# Altium PCB S7CAS-PLEIADES-CARTE-MERE_P07 - BACKUP.PcbDoc (part 1 of 3)
Units mm, origin at the board's own origin, x right, y up, seen from the top; angles counter-clockwise.
Board outline 241.19 x 260.25 mm, 14 copper layers (Top, GND_1, SIG_1, GND_2, PWR_1, GND_3, PWR_2, PWR_3, GND_4, PWR_4, GND_5, SIG_2, GND_6, Bottom), stack 1.753 mm thick; 544 components, 385 nets, 2428 pads, 179 vias.
Unrouted connection lines stored in the file: 1578.
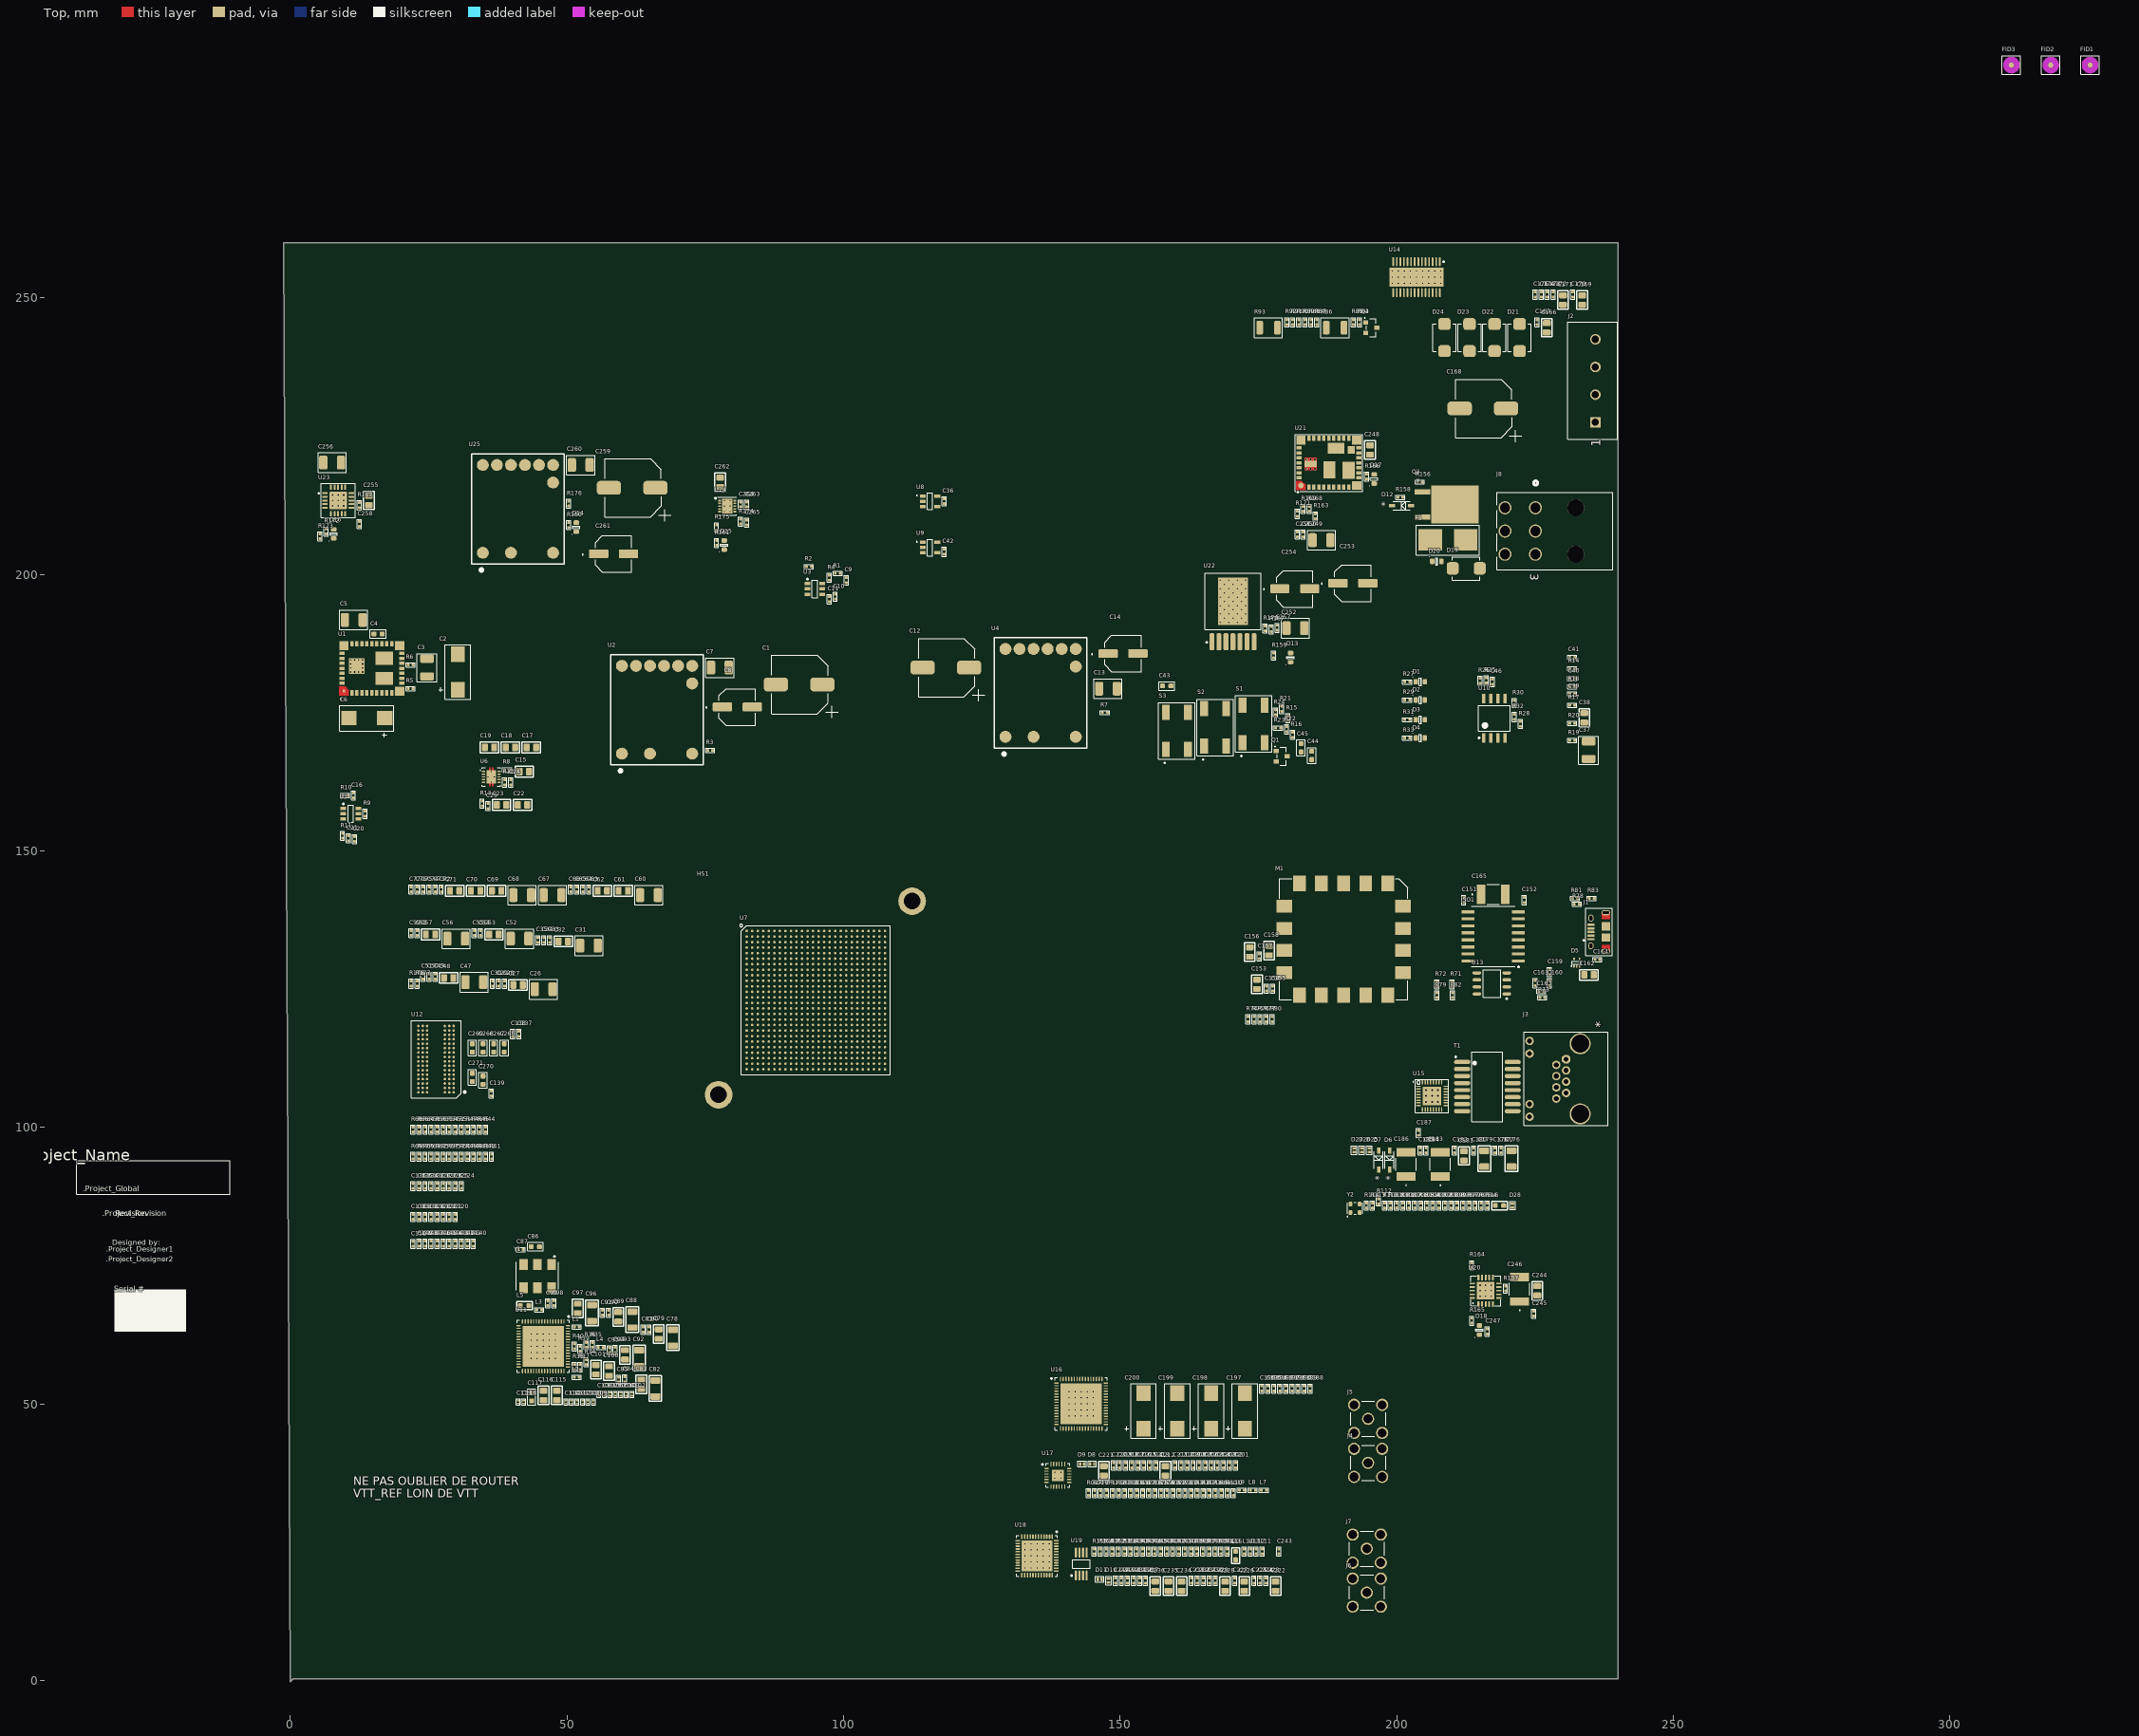
[diagram p0: Top view]
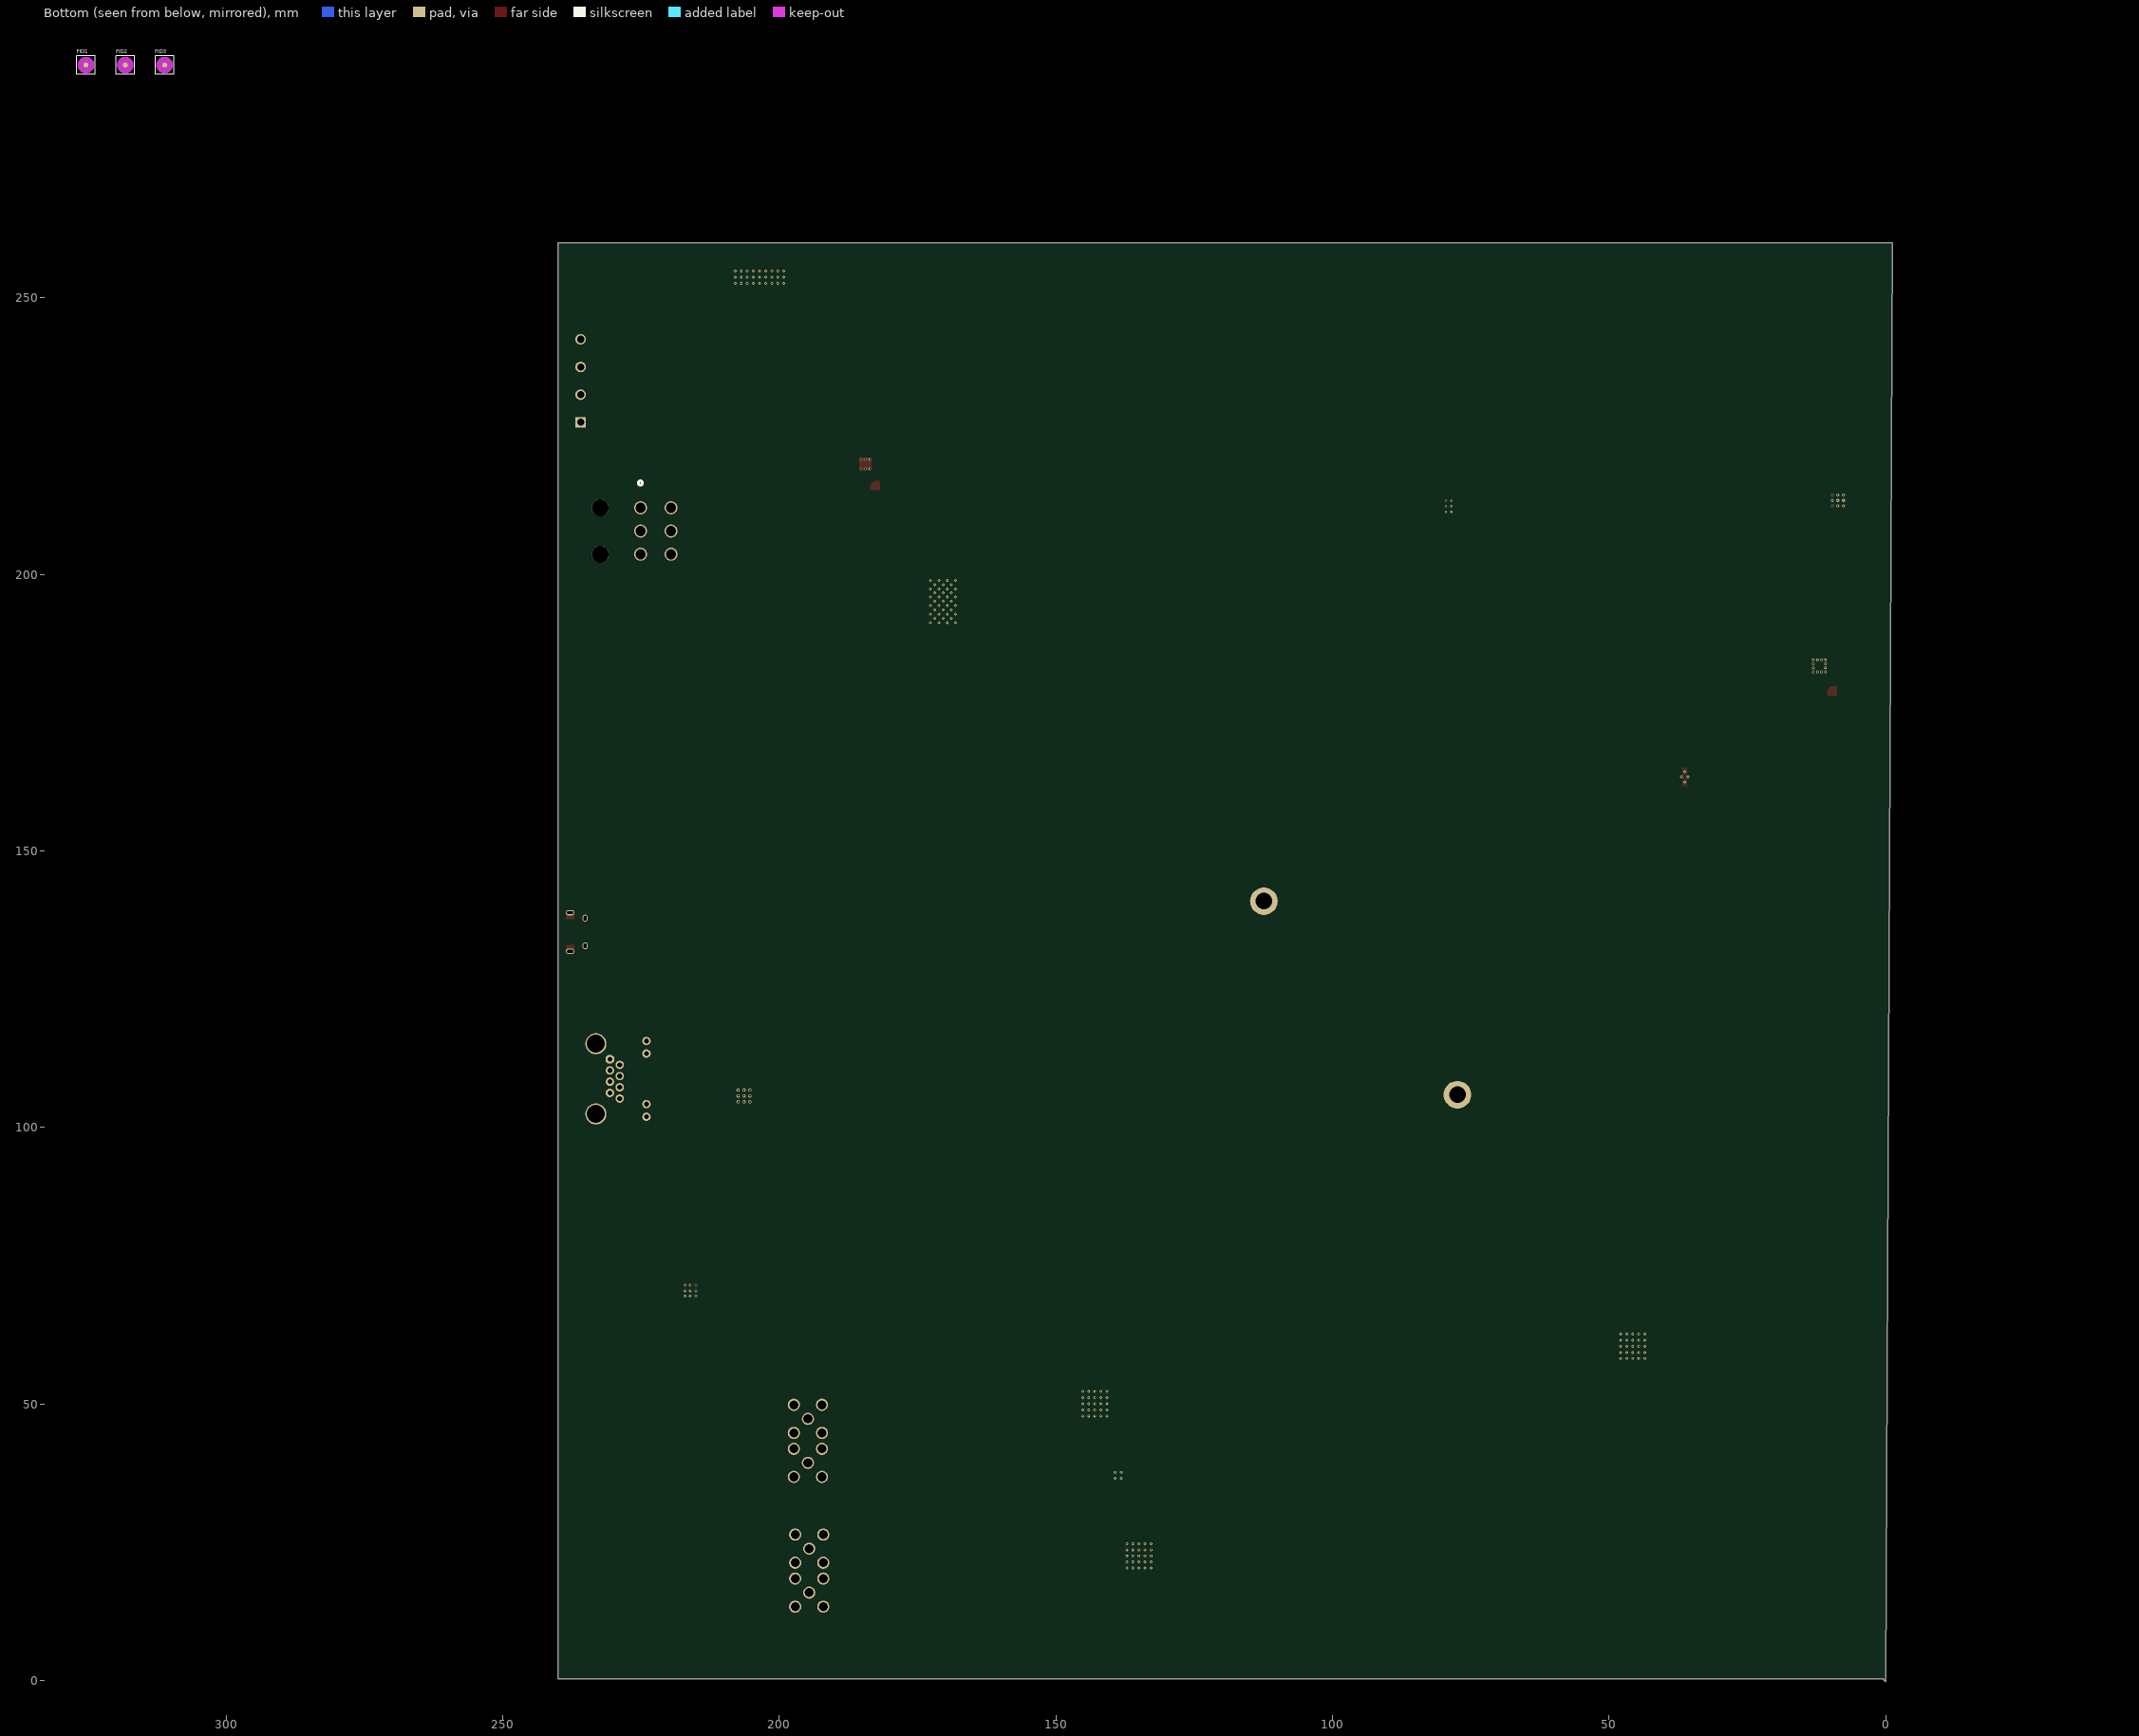
[diagram p1: Bottom view, seen from below]
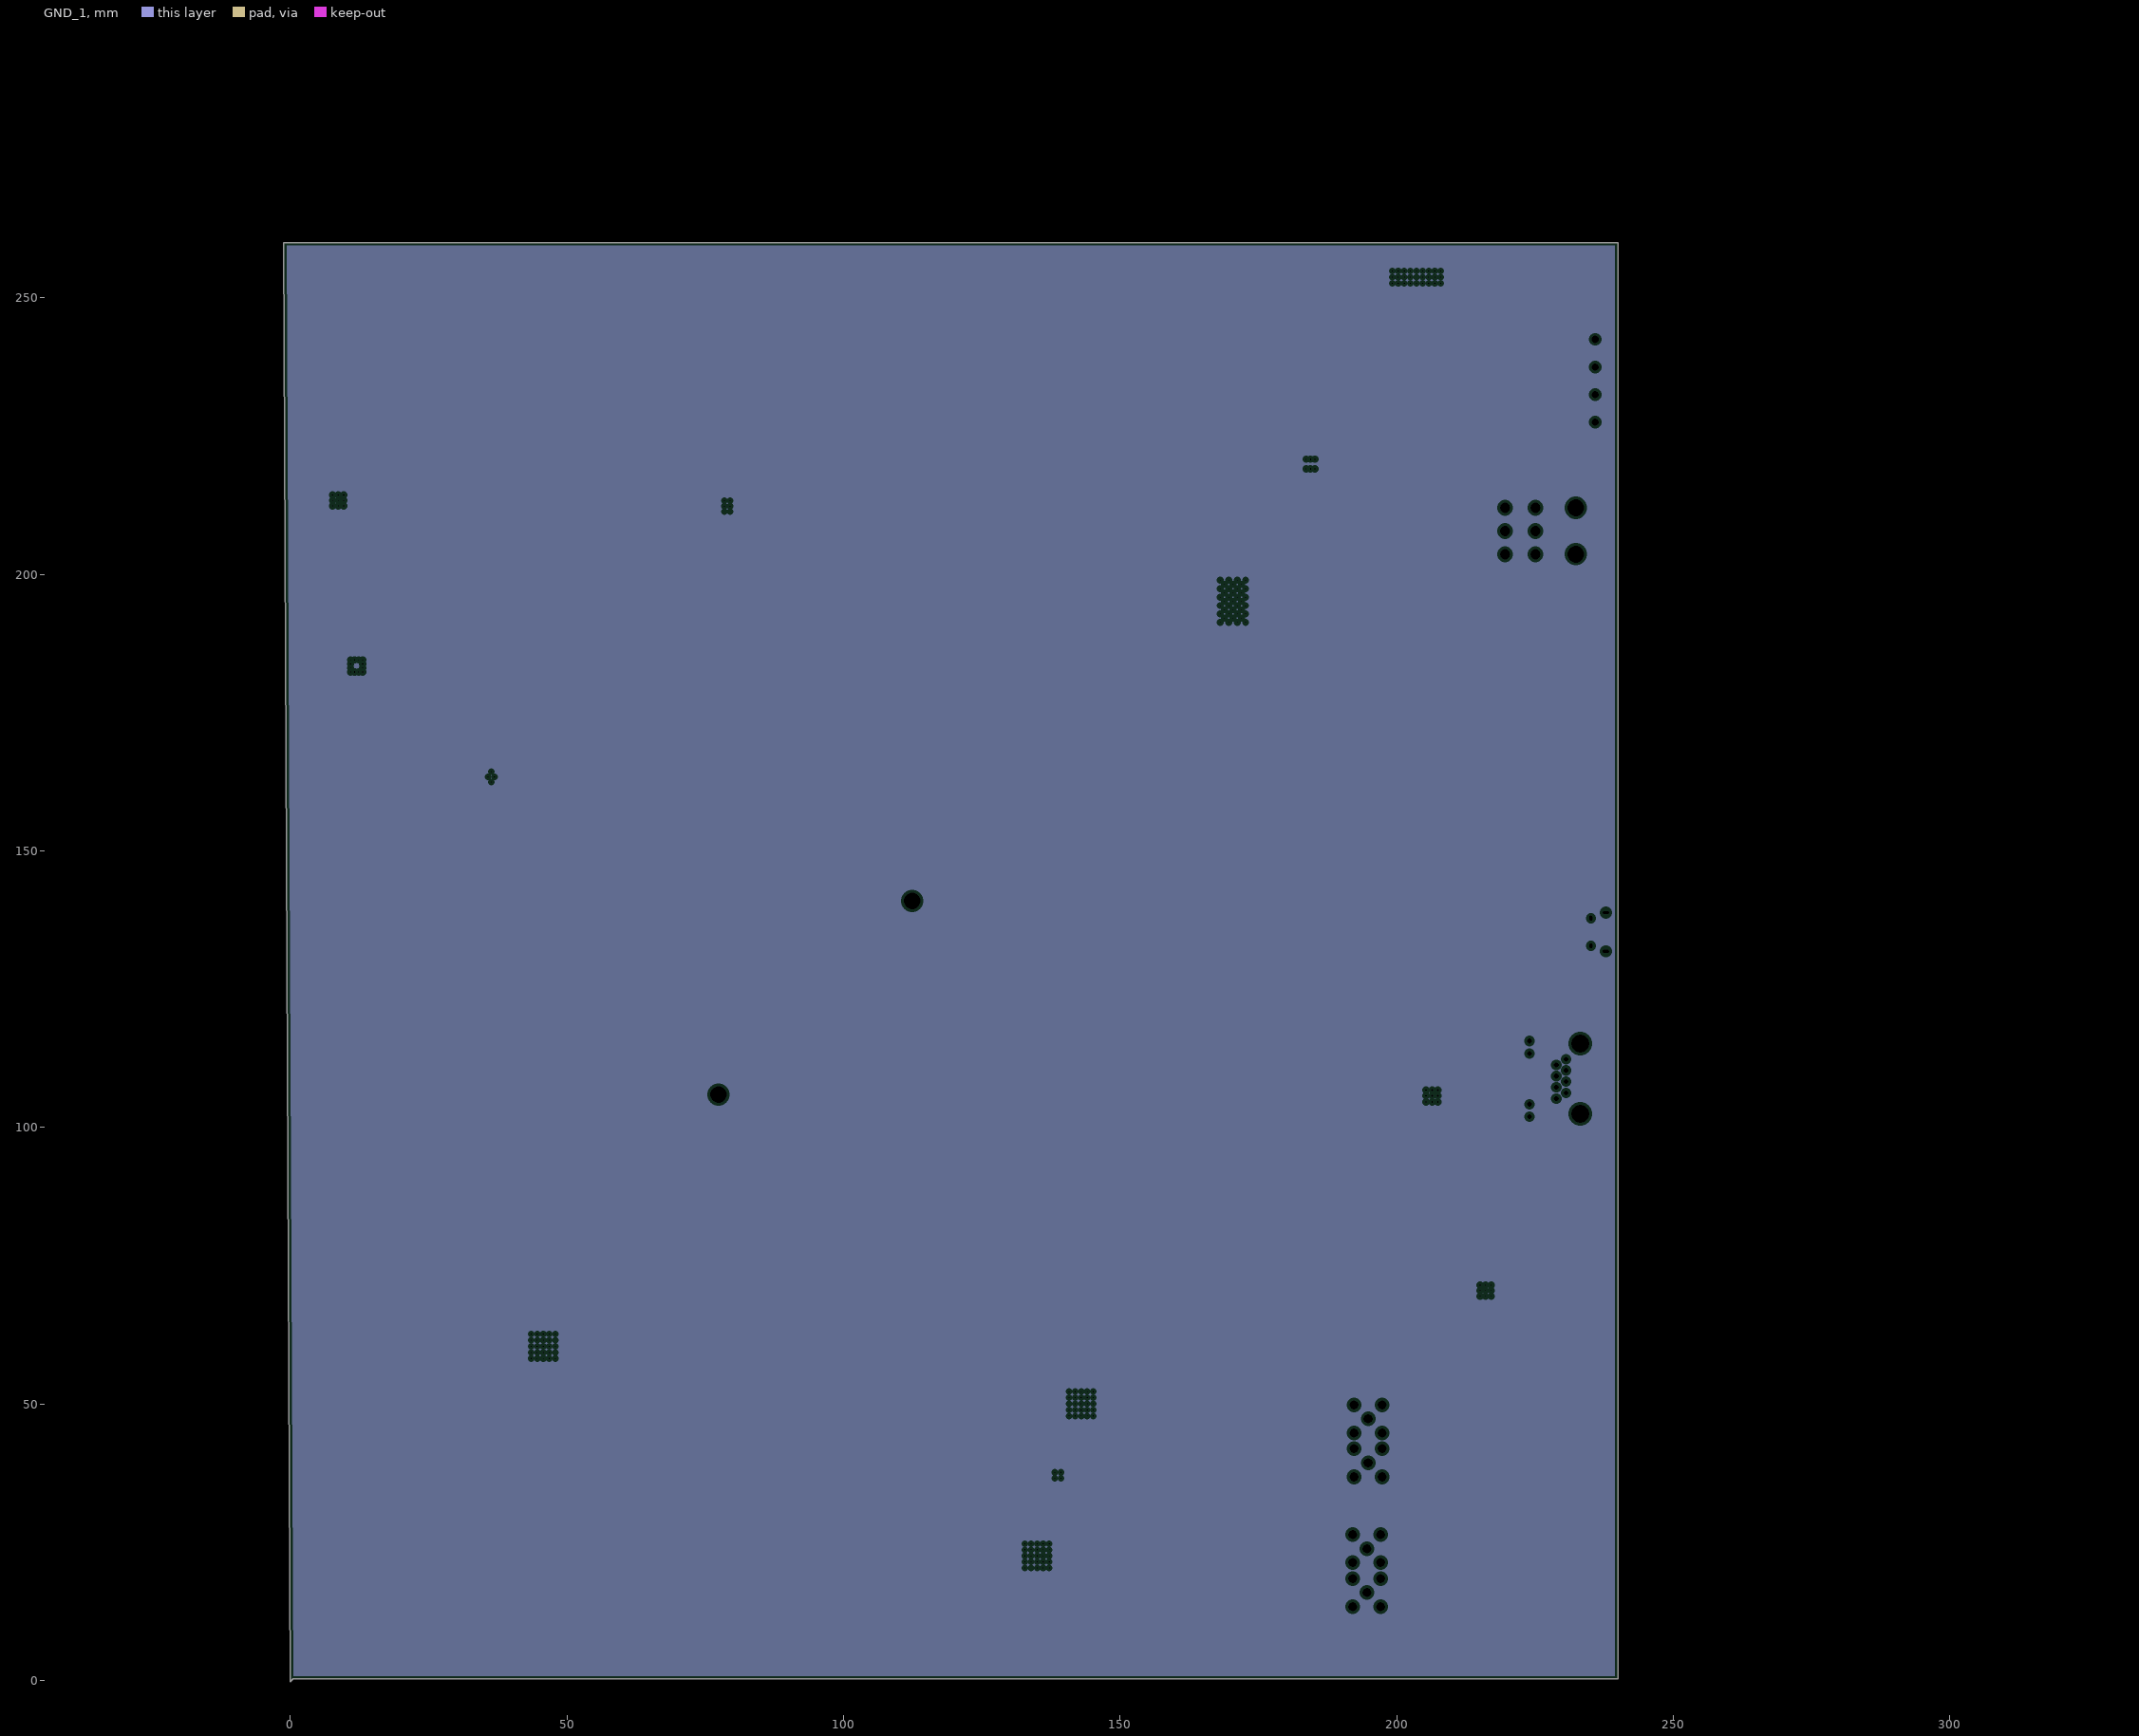
[diagram p2: GND_1, clearances drawn from the general rule]
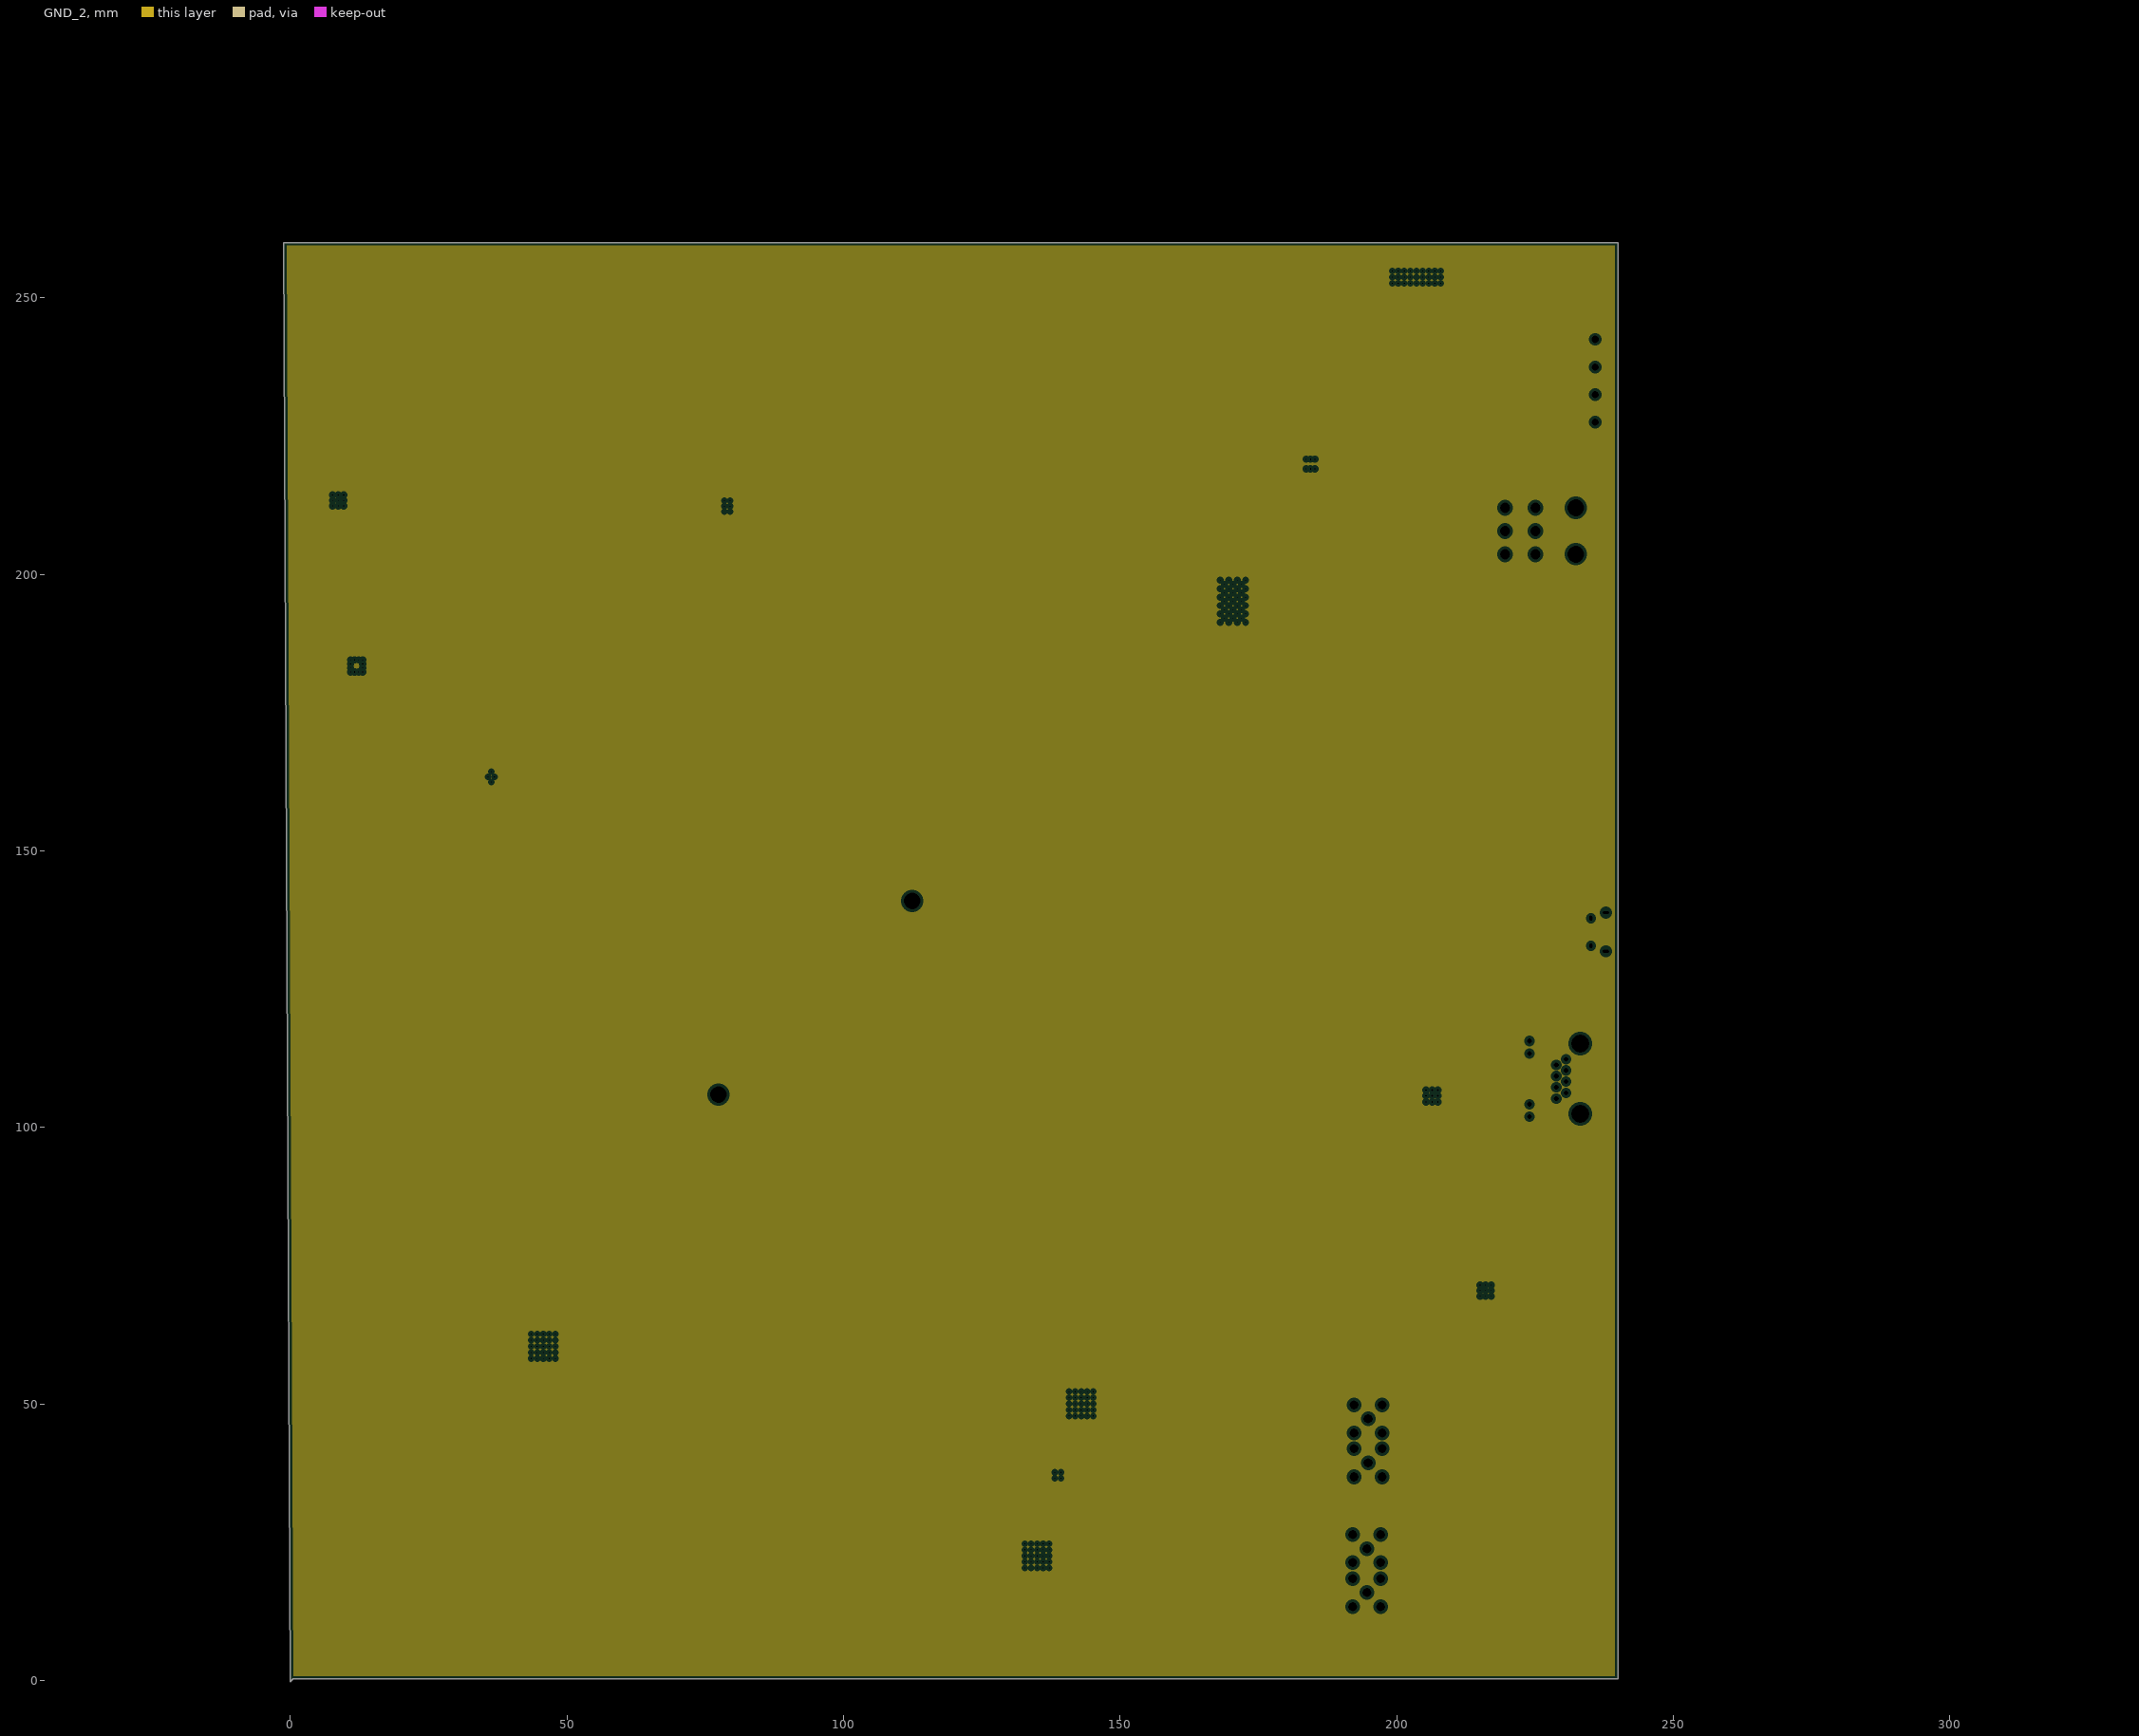
[diagram p3: GND_2, clearances drawn from the general rule]